# Altium PCB SPG_300.PcbDoc (part 6 of 7)
Units mil, origin at the board's own origin, x right, y up, seen from the top; angles counter-clockwise.
Board outline 7834.65 x 4330.71 mil, 4 copper layers (Top, Route2-SIG, Route3-GND, Bottom), stack 67.156 mil thick; 659 components, 376 nets, 2304 pads, 665 vias.
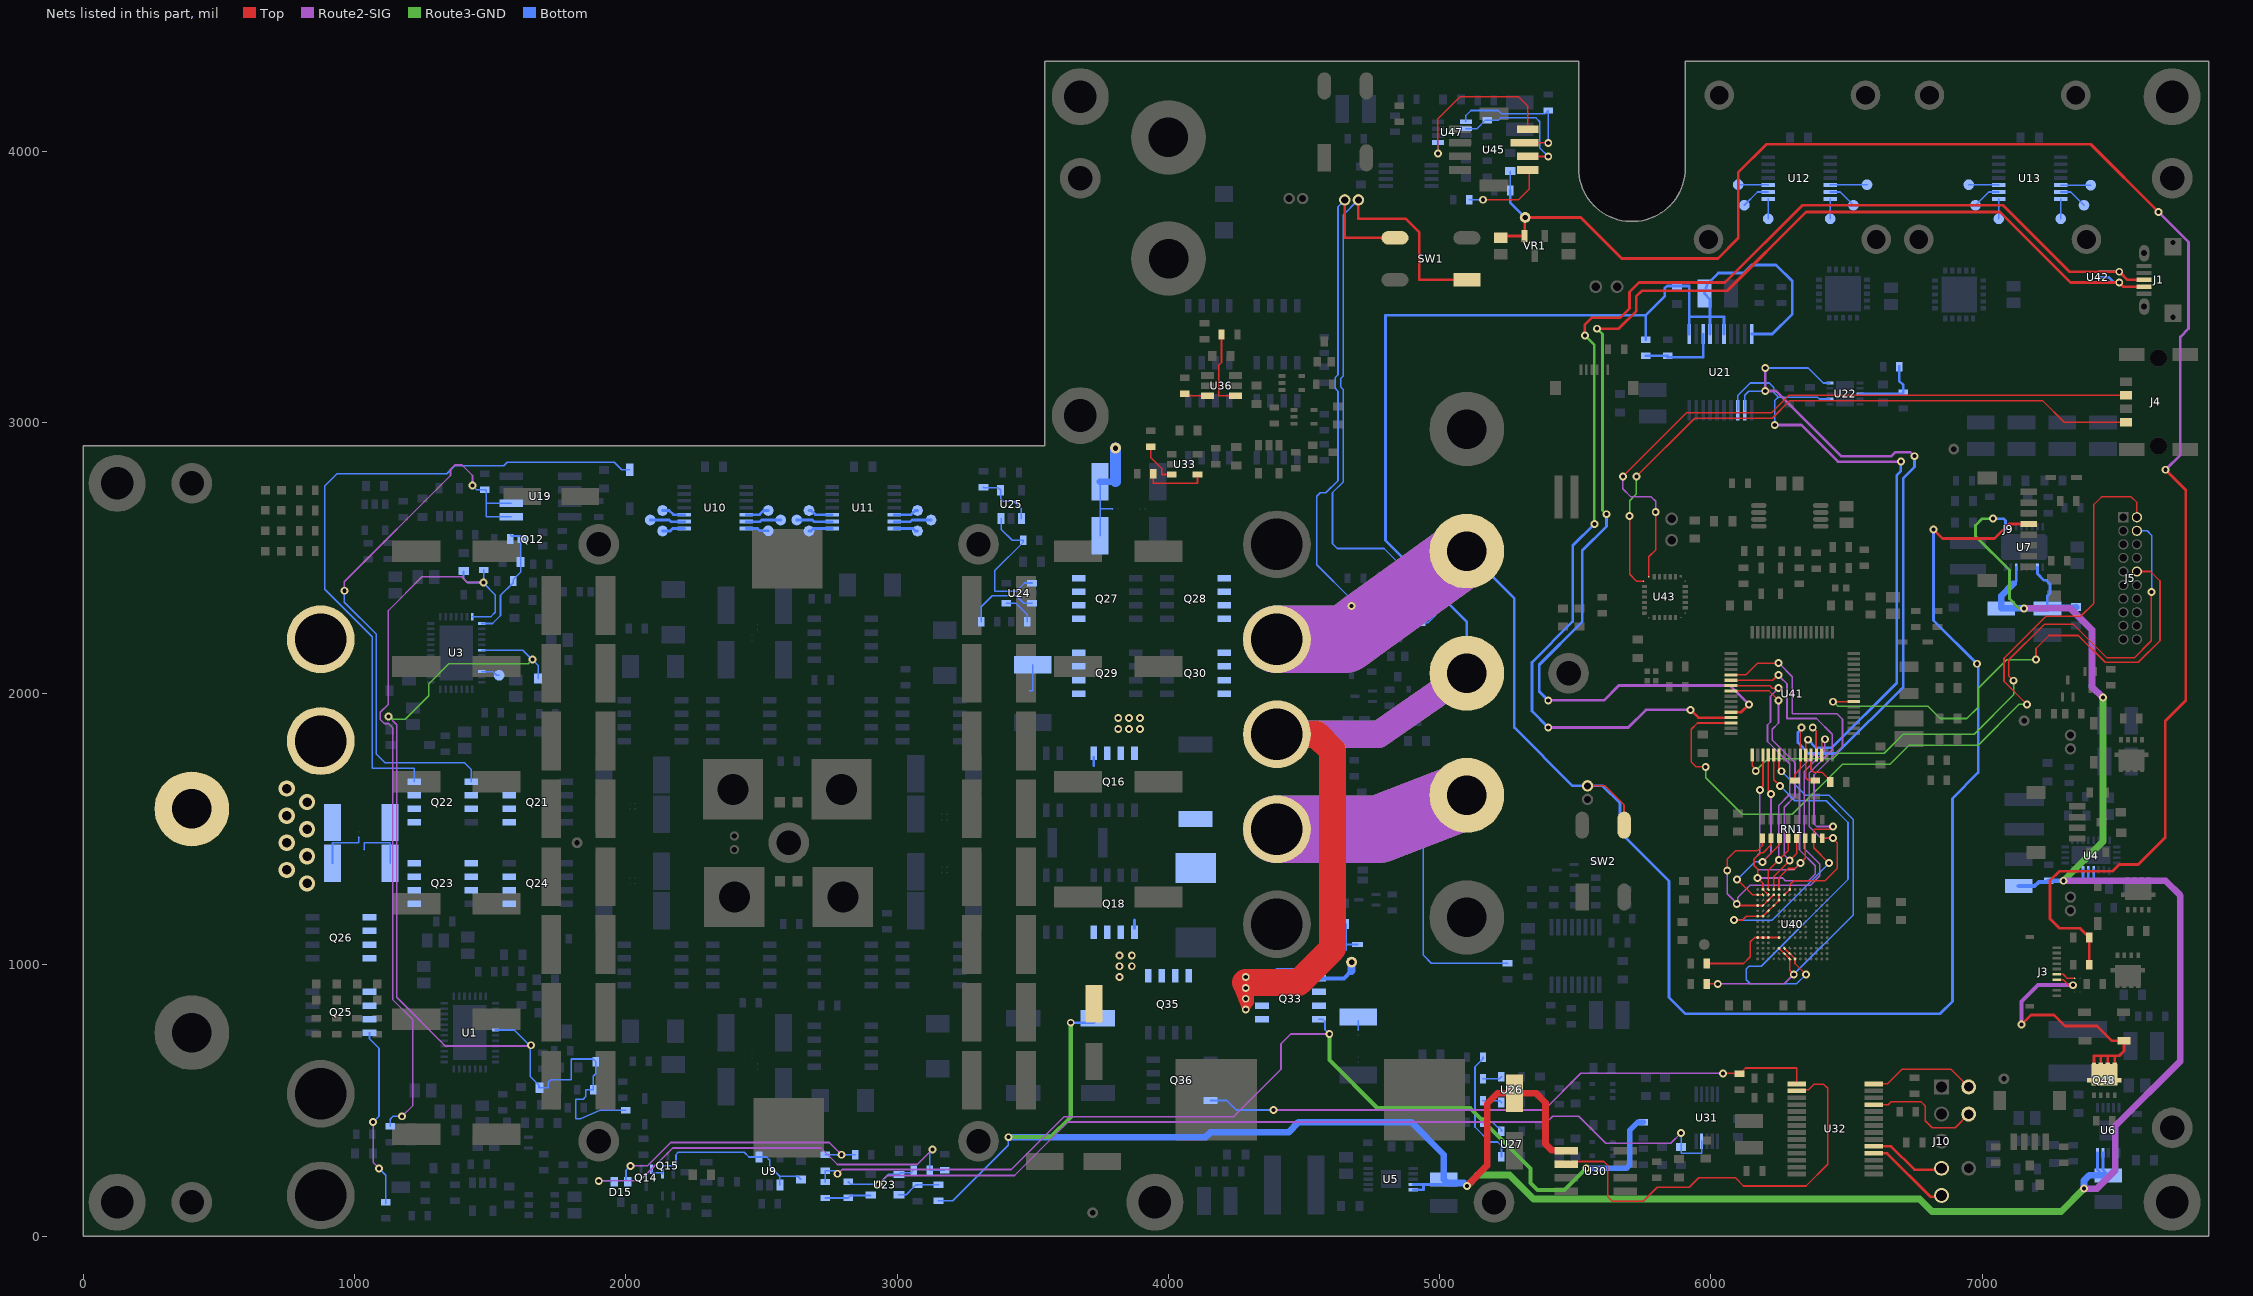
[diagram p8: the nets of this part, all layers, seen from the top]

## Via types
v1: diameter 29, hole 15, Top to Bottom, tented both sides, 469 vias
v2: diameter 29/29/29/29 (per signal layer), hole 15, Top to Bottom, tented both sides, 168 vias
v3: diameter 34/34/34/34 (per signal layer), hole 20, Top to Bottom, 14 vias
v4: diameter 60/52.5/52.5/60 (per signal layer), hole 35, Top to Bottom, 13 vias
v5: diameter 55, hole 35, Top to Bottom, 1 vias

## Nets (pads, with @x,y where several pads share a name; then routed paths per layer and width w, separated by ;. In a path a pad name is that pad's centre, name@x,y a point inside that pad or via, vN(x,y) a via of type N, cw(c..) or ccw(c..) an arc to the next point about the centre after c; other vN are vias at no path point) (continued)
NetR135_1: R135.1 R138.2 U21.13 | length 301.1
  Bottom w10: R138.2@5760,3245.47 R135.1@5840,3245.47 5840,3240 5971.02,3240 U21.13@5971.02,3324.59
NetR139_2: R139.2 R140.2 U22.3 | length 263.3
  Bottom w10: U22.3@6549.63,3105.47 6549.7,3105.55 6704.72,3105.55 R139.2@6709.17,3110 6709.17,3136.81 6693.7,3152.28 R140.2@6693.7,3205.47
NetR141_1: R141.1 R144.1 U23.4 | length 172.7
  Bottom w6: R144.1@2735,140.47 2819.53,140.47 R141.1@2820,140.94 2828.81,149.76 2901.76,149.76 U23.4@2903.23,151.22
NetR142_1: R142.1 R145.2 U23.3 | length 161.4
  Bottom w6: U23.3@3006.77,152.6 3033.96,152.6 3046.87,165.51 3046.87,166.16 3069.09,188.39 R145.2@3075,188.39 3076.14,189.53 R142.1@3152.46,189.53
NetR150_1: R150.1 U24.4 | length 120.3
  Bottom w6: U24.4@3402.71,2332.6 3438.44,2332.6 3479.53,2291.51 R150.1@3479.53,2265
NetR151_2: R151.2 U25.1 U25.4 | length 226.2
  Bottom w6: R151.2@3318.46,2760.47 3319.93,2759.01 3371.7,2759.01 U25.4@3381.69,2749.02 3381.69,2718.29 3390.46,2709.53 3430,2709.53 3457.87,2681.65 U25.1@3457.87,2645.47
NetR152_1: R152.1 U24.3 | length 270.2
  Bottom w6: R152.1@3310.47,2265 3310.47,2320 3351.1,2360.63 3438.9,2360.63 3466.93,2332.6 U24.3@3497.2,2332.6
NetR153_2: R153.2 U24.1 U25.3 | length 519.2
  Bottom w6: 3360,2377.54 3360.2,2377.74 ; U25.3@3383.07,2645.47 3383.07,2606.15 3424.22,2565 R153.2@3465.47,2565 3465.47,2559.09 3360.2,2453.82 3360.2,2377.74 ; U24.1@3497.2,2407.4 3469.67,2407.4 3440,2377.74 3360.2,2377.74
NetR174_1: R174.1 U33.3 | length 157.2
  Top w6: R174.1@3934.96,2910.47 3934.96,2870.04 3974.96,2830.04 3974.96,2807.6 U33.3@4012.76,2807.6
NetR175_1: R175.1 U33.4 | length 230.8
  Top w6: R175.1@3944.48,2811.02 3944.48,2775.52 3945,2775 4106.73,2775 4107.24,2775.52 U33.4@4107.24,2807.6
NetR184_2: R184.2 U36.3 | length 87.2
  Top w6: R184.2@4059.53,3105.63 4067.56,3097.6 U36.3@4143.43,3097.6
NetR185_2: R185.2 U36.4 | length 291.9
  Top w6: R185.2@4195.47,3323.62 4195.47,3220.47 4185,3210 4185,3097.6 U36.4@4246.57,3097.6
NetR192_2: R192.2 U41.60 | length 146.6
  Top w6: U41.60@6368.9,1773.62 6368.9,1719.49 6378.74,1709.65 6409.13,1709.65 6438.98,1679.8 R192.2@6438.98,1673.9
NetR212_1: R212.1 U45.3 U47.1 | length 551.4
  Top w6: U45.3@5312.8,4030 v1(5400,4030)
  Bottom w6: U47.1@5096.57,4107.91 5096.57,4131.1 5115,4149.53 5215.47,4149.53 5228,4137 5387.79,4137 R212.1@5400,4149.21 v1@5400,4029.53
NetR217_1: R217.1 U45.1 | length 318.5
  Top w6: v1(5160,3820.47) 5290.47,3820.47 5330,3860 5330,3934.8 U45.1@5325.2,3930
  Bottom w6: R217.1@5109.51,3820 v1@5160,3820
NetR219_2: R219.2 U45.2 U47.2 | length 510.8
  Top w6: U45.2@5325.2,3980 v1(5400,3980)
  Bottom w6: U47.2@5096.57,4082.32 5137.36,4082.32 5169.09,4114.06 R219.2@5175,4114.06 5216.65,4114.06 5224.6,4122 5355.07,4122 5369.15,4107.91 5369.15,4011.28 5400,3980.43 v1@5400,3979.53
NetU45_4: U45.4 U47.5 | length 634.3
  Top w6: v1(4993.43,3990.47) 4993.43,4118.43 5075,4200 5290.47,4200 5325.2,4165.28 U45.4@5325.2,4080
  Bottom w6: v1@4993.43,3990 v1(4993.43,3990.47) U47.5@4993.43,4031.14
OUTLET_VALVE+: J3.6 NT22.2 | length 72.5
  Top w6: J3.6@7274.21,965.16 7298.52,965.16 7313.68,950 NT22.2@7340.47,950
OUTLET_VALVE-: D31.A J3.7 Q48.D1 Q48.D2 Q48.D3 Q48.D4 | length 1104
  Top w6: J3.7@7274.21,945.47 7299.53,945.47 7320,925 v1(7335,925)
  Top w10: v1(7145,780) 7180,815 7264.72,815 7304.72,775 7423.61,775 7478.59,720.02 D31.A@7522.83,720.02 7522.83,682.83 7505,665 7488.39,665 ; Q48.D4@7411.61,628.15 7411.61,665 7437.2,665 ; Q48.D3@7437.2,628.15 7437.2,665 ; Q48.D2@7462.8,628.15 7462.8,665 ; Q48.D1@7488.39,628.15 7488.39,665 ; 7437.2,665 7462.8,665 ; 7462.8,665 7488.39,665
  Route2-SIG w15: v1(7145,780) 7145,865 7205,925 v1(7335,925)
P0A: P0A.TP U12.8 | length 73.2
  Bottom w6: P0A.TP@6210.83,3750 U12.8@6210.83,3823.23
P0B: P0B.TP U12.10 | length 111.5
  Bottom w6: P0B.TP@6100,3876.06 6100.83,3875.24 6210,3875.24 U12.10@6210.83,3874.41
P0W: P0W.TP U12.9 | length 108.2
  Bottom w6: P0W.TP@6122.83,3800 6171.65,3848.82 U12.9@6210.83,3848.82
P1A: P1A.TP U12.7 | length 73.2
  Bottom w6: P1A.TP@6439.17,3750 U12.7@6439.17,3823.23
P1B: P1B.TP U12.5 | length 136.5
  Bottom w6: U12.5@6439.17,3874.41 6440,3875.24 6574.17,3875.24 P1B.TP@6575,3876.06
P1W: P1W.TP U12.6 | length 106
  Bottom w6: U12.6@6439.17,3848.82 6476.18,3848.82 P1W.TP@6525,3800
P2A: P2A.TP U13.8 | length 73.2
  Bottom w6: P2A.TP@7060.83,3750 U13.8@7060.83,3823.23
P2B: P2B.TP U13.10 | length 111.5
  Bottom w6: P2B.TP@6950,3876.06 6950.83,3875.24 7060,3875.24 U13.10@7060.83,3874.41
P2W: P2W.TP U13.9 | length 106
  Bottom w6: P2W.TP@6975,3800 7023.82,3848.82 U13.9@7060.83,3848.82
P3A: P3A.TP U13.7 | length 73.2
  Bottom w6: P3A.TP@7289.17,3750 U13.7@7289.17,3823.23
P3B: P3B.TP U13.5 | length 110.8
  Bottom w6: U13.5@7289.17,3874.41 P3B.TP@7400,3874.41
P3W: P3W.TP U13.6 | length 106
  Bottom w6: U13.6@7289.17,3848.82 7326.18,3848.82 P3W.TP@7375,3800
P4A: P4A.TP U10.8 | length 84.2
  Bottom w10: P4A.TP@2135.32,2599.29 2163.62,2599.29 2172.56,2608.23 U10.8@2215.83,2608.23
P4B: P4B.TP U10.10 | length 87
  Bottom w10: P4B.TP@2135.27,2675 2159.41,2675 2175,2659.41 U10.10@2215.83,2659.41
P4W: P4W.TP U10.9 | length 128.9
  Bottom w10: P4W.TP@2089.53,2640 2159.41,2640 2165.59,2633.82 U10.9@2215.83,2633.82
P5A: P5A.TP U10.7 | length 84.2
  Bottom w10: U10.7@2444.17,2608.23 2485.75,2608.23 2493.98,2600 P5A.TP@2525,2600
P5B: P5B.TP U10.5 | length 87.3
  Bottom w10: U10.5@2444.17,2659.41 2492.41,2659.41 2508,2675 P5B.TP@2525,2675
P5W: P5W.TP U10.6 | length 128.9
  Bottom w10: U10.6@2444.17,2633.82 2494.76,2633.82 2500.94,2640 P5W.TP@2570.47,2640
P6A: P6A.TP U11.8 | length 89.5
  Bottom w10: P6A.TP@2675,2599.29 2682.95,2599.29 2691.88,2608.23 U11.8@2760.83,2608.23
P6B: P6B.TP U11.10 | length 92.3
  Bottom w10: P6B.TP@2675,2675 2682.95,2675 2698.54,2659.41 U11.10@2760.83,2659.41
P6W: P6W.TP U11.9 | length 133.4
  Bottom w10: P6W.TP@2630,2640 2687.48,2640 2693.66,2633.82 U11.9@2760.83,2633.82
P7A: P7A.TP U11.7 | length 89.5
  Bottom w10: U11.7@2989.17,2608.23 3058.12,2608.23 3067.05,2599.29 P7A.TP@3075,2599.29
P7B: P7B.TP U11.5 | length 92.3
  Bottom w10: U11.5@2989.17,2659.41 3051.46,2659.41 3067.05,2675 P7B.TP@3075,2675
P7W: P7W.TP U11.6 | length 138.4
  Bottom w10: U11.6@2989.17,2633.82 3048.78,2633.82 3054.96,2640 P7W.TP@3125,2640
PGC: J10.4 U32.5 | length 291.2
  Top w10: U32.5@6599.43,331.02 6664.02,331.02 6750.04,245 J10.4@6855,245
PGD: J10.5 U32.4 | length 322
  Top w10: U32.4@6599.43,305.43 6649.57,305.43 6810,145 J10.5@6855,145
PWM1: Q36.G R163.2 U32.15 | length 2299.8
  Top w6: v1(6043.64,600) 6103.16,600 R163.2@6105,598.16 6126.84,620 6315.97,620 U32.15@6315.97,561.34
  Route2-SIG w6: v1(4387.32,465) 5385,465 5520,600 v1(6043.64,600)
  Bottom w6: Q36.G@4155.08,500 4214.96,500 4249.96,465 v1(4387.32,465)
PWM2: U30.2 U32.16 | length 1587.1
  Top w6: U30.2@5466.73,265 5495,265 5505,275 5604.88,275 5620,259.88 5620,145 5636.5,128.5 5750,128.5 5801.85,180.35 5920,180.35 5954.65,215 6090,215 6120,185 6350,185 6430,265 6430,545 6415,560 6379.76,560 6359.42,539.65 6319.87,539.65 U32.16@6315.97,535.75
PWR_SW: J6.1 R121.2 R124.2 SW1.1 | length 2653.5
  Top w10: J6.1@4700,3820 4700,3750 4875,3750 4925,3700 4925,3525 SW1.1@5100,3525
  Bottom w6: J6.1@4700,3820 4644.13,3764.13 4644.13,3170.47 4635,3161.34 4635,3130 4644.13,3120.87 4644.13,2780 4605,2740.87 4605,2552.76 4622.72,2535.03 4794.97,2535.03 4985,2345 4985,2290 4955.47,2260.47 R124.2@4930,2260.47 4929.06,2259.53 R121.2@4845,2259.53
REF_3V3: C68.1 C181.1 R109.2 R110.2 R210.2 TP_1.1 VR1.2 | length 6522.3
  Top w10: C68.1@5225,3680.51 5230.91,3686.42 VR1.2@5312.6,3686.42 5313.8,3687.62 5313.8,3753.8 TP_1.1@5315,3755 5519.8,3755 5671.05,3603.75 6025.29,3603.75 6100,3678.46 6100,3920.94 6204.06,4025 7400,4025 v1(7650,3775) ; R110.2@7392.5,1102.95 7360.45,1135 7285,1135 7250,1170 7250,1310.28 7284.72,1345 7480,1345 7505,1370 7575,1370 7674.53,1469.53 7674.53,1899.53 7750,1975 7750,2750 v1(7675,2825) ; R110.2@7393.74,1100.79 7394.13,1100.39 7394.13,1000.39 R109.2@7394.53,1000
  Route2-SIG w10: v1(7650,3775) 7760,3665 7760,3345 7730,3315 7730,2880 v1(7675,2825)
  Bottom w6: R210.2@5259.53,3854.53 5260,3855 C181.1@5260,3926.06
  Bottom w10: R210.2@5259.53,3854.53 5259.53,3810.47 TP_1.1@5315,3755
RXD: pad.10 U32.11 | length 448
  Top w6: U32.11@6599.43,484.57 6653.35,484.57 6664.78,496 6774.22,496 6790.22,480 6790.22,425 6815.22,400 6900,400 pad.10@6950,450
SCLK: CLK.TP U3.10 | length 69
  Bottom w6: U3.10@1469.45,2081.1 1509.69,2081.1 1523.62,2067.17 CLK.TP@1532.65,2067.17
SDMMC1_CK: U40.*CLK U41.53 | length 1561.9
  Top w6: U41.53@6231.1,1773.62 6231.1,1682.87 v1(6255,1658.98) ; U40.*CLK@6270.47,1061.42 U40.*CLK@6309.84,1022.05 6309.84,1005 v1(6350,964.84)
  Bottom w6: v1(6255,1658.98) 6308.98,1605 6425,1605 6505,1525 6505,1315 6185,995 6140,995 6130,985 6130,945 6145,930 6315.16,930 v1(6350,964.84)
SDMMC1_CMD: R206.2 U40.*CMD U41.54 | length 1518
  Top w6: R206.2@5984.53,929.53 5985,930 v1(6025,930) ; U40.*CMD@6250.79,1061.42 U40.*CMD@6290.16,1022.05 6290.16,979.84 v1(6305,965) ; U41.54@6250.79,1773.62 6250.79,1722.8 v1(6260,1713.58)
  Route2-SIG w6: v1@6024.76,930 v1(6025,930) 6269.76,930 v1@6304.76,965
  Bottom w6: v1(6260,1713.58) 6348.58,1625 6435,1625 6525,1535 6525,1185 v1(6305,965)
SDMMC1_D0: RN1.4 U40.A3 U41.39 | length 1100.5
  Top w6: U41.39@6073.62,2029.53 6216.73,2029.53 6226.26,2020 v1(6248.96,2020) ; U40.A3@6211.42,1277.95 6211.42,1347.62 v1(6250,1386.2) 6284.25,1420.45 RN1.4@6284.25,1467.32
  Route2-SIG w6: v1(6248.96,2020) 6219.29,1990.33 6219.29,1895 6208.5,1884.21 6208.5,1823.32 6290.8,1741.02 6290.8,1628.74 6249.76,1587.7 v1@6249.76,1386.2
SDMMC1_D1: RN1.5 U40.A4 U41.40 | length 1073.3
  Top w6: U41.40@6073.62,2009.84 6214.12,2009.84 v1(6248.96,1975) ; U40.A4@6231.1,1277.95 6231.1,1325.94 v1(6290.16,1385) 6315.75,1410.59 RN1.5@6315.75,1467.32
  Route2-SIG w6: v1@6248.72,1975 6248.72,1891.42 6225.39,1868.09 6225.39,1828.76 6309.61,1744.55 6309.61,1620.47 6270.24,1581.1 6270.24,1404.92 v1(6290.16,1385)
SDMMC1_D2: RN1.6 U40.A5 U41.51 | length 852.4
  Top w6: v1(6180,1645) 6191.73,1656.73 U41.51@6191.73,1773.62 ; U40.A5@6250.79,1277.95 6250.79,1320.79 6285,1355 6309.53,1355 6347.24,1392.72 RN1.6@6347.24,1467.32
  Route2-SIG w6: v1(6180,1645) 6179.76,1644.76 6179.76,1410.91 6158.86,1390 6158.86,1366.3 6175.16,1350 6304.53,1350 v1(6329.53,1375)
SDMMC1_D3: RN1.3 U40.*D3 U41.52 | length 768.2
  Top w6: v1(6096.53,1315) 6153.26,1258.27 U40.*D3@6172.05,1258.27 U40.*D3@6191.73,1258.27 ; v1(6189.53,1379.53) 6252.76,1442.76 RN1.3@6252.76,1467.32 ; U41.52@6211.42,1773.62 6211.42,1639.84 v1(6221.26,1630)
  Route2-SIG w6: v1@6189.53,1375 v1(6189.53,1379.53) 6189.53,1379.76 6221.02,1411.26 v1@6221.02,1630
  Bottom w6: v1(6096.53,1315) 6161.06,1379.53 v1(6189.53,1379.53)
SDMMC1_D4: RN1.2 U40.*D4 U41.61 | length 1191.1
  Top w6: U40.*D4@6211.42,1258.27 U40.*D4@6191.73,1277.95 6191.73,1300.31 v1(6172.05,1320) 6172.05,1352.95 6160,1365 6160,1390.59 6182.99,1413.58 6192.32,1413.58 6221.26,1442.52 RN1.2@6221.26,1467.32 ; v1(6375,1875) 6388.58,1861.42 U41.61@6388.58,1773.62
  Route2-SIG w6: v1(6172.05,1320) 6264.02,1320 6274.02,1310 6359.76,1310 6384.76,1335 6384.76,1365 6326.09,1423.67 6326.09,1720.03 6388.35,1782.28 6388.35,1861.42 v1@6374.76,1875
SDMMC1_D5: RN1.1 U40.*D5 U41.62 | length 1494.6
  Top w6: v1(6060,1347.62) 6060,1390.31 6089.69,1420 6170,1420 6189.76,1439.76 RN1.1@6189.76,1467.32 ; v1(6095,1225) 6101.1,1218.9 U40.*D5@6172.05,1218.9 U40.*D5@6191.73,1218.9 U40.*D5@6211.42,1238.58 U40.*D5@6231.1,1258.27 ; U41.62@6408.27,1773.62 6408.27,1820.28 v1(6419.69,1831.69)
  Route2-SIG w6: v1(6060,1347.62) 6060,1262.04 6095,1227.04 v1(6095,1225) 6098.5,1228.5 6098.5,1248.5 6143.51,1293.52 6366.59,1293.52 6401.25,1328.17 6401.25,1371.83 6343.93,1429.14 6343.93,1712.64 6419.45,1788.15 v1@6419.45,1831.69
SDMMC1_D6: RN1.7 U40.*D6 U41.37 | length 1975.2
  Top w6: U41.37@6073.62,2068.9 6128.9,2068.9 6171.55,2111.55 6241.26,2111.55 6243.1,2113.4 v1(6248.96,2113.4) ; v1(6085.02,1164.88) 6115.39,1164.88 6130.04,1179.53 U40.*D6@6172.05,1179.53 U40.*D6@6191.73,1179.53 U40.*D6@6211.42,1199.21 U40.*D6@6231.1,1218.9 U40.*D6@6250.79,1238.58 U40.*D6@6250.79,1258.27 ; v1(6435,1375) 6378.74,1431.26 RN1.7@6378.74,1467.32 6378.74,1497.07 6381.67,1500 6440.39,1500 v1(6450.39,1510)
  Route2-SIG w6: v1(6248.96,2113.4) 6299.76,2062.59 6299.76,1925.54 6464.48,1925.54 6484.76,1905.26 6484.76,1805.12 6379.62,1699.98 6379.62,1519.59 6389.21,1510 v1@6450.15,1510
  Bottom w6: v1(6085.02,1164.88) 6224.88,1164.88 v1(6435,1375)
SDMMC1_D7: RN1.8 U40.*D7 U41.38 | length 1418.8
  Top w6: U41.38@6073.62,2049.21 6228.17,2049.21 6247.86,2068.9 v1(6248.72,2068.9) ; U40.*D7@6270.47,1258.27 U40.*D7@6290.16,1277.95 6290.16,1295.16 6305.28,1310.28 6420.28,1310.28 6465,1355 6465,1449.09 6450,1464.09 v1(6450,1467.32) RN1.8@6410.24,1467.32
  Route2-SIG w6: v1@6257.61,2058.89 6280,2036.5 6280,1908.15 6389.07,1908.15 6447.4,1849.82 6447.4,1792.99 6361.78,1707.37 6361.78,1510 6404.45,1467.32 v1@6449.76,1467.32
SDMMC1_nRST: R207.2 U40.*RST | length 338.2
  Top w6: R207.2@5984.53,1005 6120,1005 6145,1030 6145,1085 6160.79,1100.79 U40.*RST@6172.05,1100.79 U40.*RST@6191.73,1100.79 U40.*RST@6250.79,1100.79
SEC_MCU_NRST: J4.4 U43.1 | length 2386
  Top w6: v1(5700,2655) 5700,2440 5725.49,2414.51 U43.1@5751,2414.51 ; v1(5724.98,2800) 5939.98,3015 6225.63,3015 6290.63,3080 7221.89,3080 7301.89,3000 J4.4@7529.92,3000
  Route3-GND w6: v1(5700,2655) 5700,2710.59 5724.98,2735.57 v1(5724.98,2800)
SEC_MCU_SWIM: J4.2 U43.28 | length 2453.5
  Top w6: v1(5674.98,2800) 5910,3035 6222.76,3035 6287.76,3100 J4.2@7529.92,3100 ; U43.28@5770.94,2430.32 5770.94,2504.25 5796.22,2529.53 v1(5796.22,2670)
  Route2-SIG w6: v1(5674.98,2800) 5674.98,2755 5704.98,2725 5780,2725 5796.22,2708.78 v1(5796.22,2670)
SIADJ: C76.1 R37.1 R65.1 U3.38 | length 2810.7
  Route2-SIG w6: 1094.97,1915.26 1094.97,1904.37 1109.84,1889.49 1125.13,1889.49 1140,1874.62 1140,872.25 1215,797.25 1215,481.73 v1(1175,441.73) ; 1095,1915.3 1095,1931.21 1124.72,1960.93 1124.72,2306.59 1248.83,2430.69 1394.76,2430.69 1415.8,2409.65 v1(1475.58,2409.65)
  Bottom w6: R37.1@1131.26,405.28 1131.26,431.14 1141.85,441.73 v1(1175,441.73) ; C76.1@1402.28,2451.54 1401.35,2450.61 1401.35,2424.09 1415.8,2409.65 v1(1475.58,2409.65) ; U3.38@1434.01,2283.86 1503.09,2283.86 1519.01,2299.78 1519.01,2363.43 1475.58,2406.86 v1(1475.58,2409.65) ; R65.1@1475.58,2455.47 v1(1475.58,2409.65)
SMB_INT_SCL: R198.1 U21.2 U22.10 U41.58 | length 2786.6
  Top w6: R198.1@6309.84,1679.53 6309.84,1702.93 6329.53,1722.61 U41.58@6329.53,1773.62 6329.53,1871.06 v1(6333.47,1875)
  Route2-SIG w10: v1(6200,3200) v1(6200,3115) 6240,3115 6480,2875 6665,2875 6680,2890 6733.28,2890 6748.28,2875 v1(6750,2875)
  Bottom w6: U21.2@6124.57,3044.25 6124.57,3100 6139.57,3115 v1(6200,3115) ; v1(6200,3200) 6358.94,3200 6414.09,3144.84 U22.10@6438.41,3144.84
  Bottom w10: v1(6333.47,1875) 6333.47,1869.86 6320,1856.39 6320,1819.21 6360,1779.21 6463.39,1779.21 6709.17,2025 6709.17,2794.17 6750,2835 v1(6750,2875)
SMB_INT_SDA: R200.1 U21.3 U22.7 U41.59 | length 2521.3
  Top w6: v1(6357.7,1830) 6349.21,1821.51 U41.59@6349.21,1773.62 6349.21,1689.84 6359.06,1680 6384.53,1680 R200.1@6385,1679.53
  Route2-SIG w10: v1(6235,2990) 6333.49,2990 6468.49,2855 v1(6700,2855)
  Bottom w6: U21.3@6098.98,3044.25 6098.98,3098.98 6144.84,3144.84 6215,3144.84 6231.74,3128.11 6231.74,3110.21 6248.47,3093.47 ; v1(6235,2990) 6235,3080 6247.5,3092.5 6392.97,3092.5 6399.69,3085.79 U22.7@6438.41,3085.79
  Bottom w10: v1(6357.7,1830) 6387.7,1800 6445,1800 6685,2040 6685,2805 6700,2820 v1(6700,2855)
SNK+: R160.2 U27.3 | length 436.7
  Bottom w6: R160.2@5159.53,660 5159.53,654.09 5130,624.57 5130,402.13 5185,347.13 5212.87,347.13 5227.6,332.4 U27.3@5227.6,292.28
SNK-: R157.2 U27.4 | length 85.1
  Bottom w6: R157.2@5159.53,419.49 5194.88,419.49 5212.88,401.49 5218.79,401.49 5227.6,392.68 U27.4@5227.6,386.77
SRC+: R158.2 U26.3 | length 70.7
  Bottom w6: R158.2@5159.53,499.21 5221.14,499.21 U26.3@5227.6,492.76
SRC-: R159.2 U26.4 | length 71.1
  Bottom w6: R159.2@5159.53,580 5220.35,580 U26.4@5227.6,587.24
SSHDN: C52.1 Q12.3 R52.1 R55.2 U3.1 | length 447.2
  Bottom w6: U3.1@1469.45,2258.27 1508.22,2258.27 1538,2288.04 1538,2362.14 1584.96,2409.09 R55.2@1584.96,2415 1584.96,2420.91 1611.85,2447.8 C52.1@1611.85,2485 1611.85,2562.48 Q12.3@1619.13,2569.76 1607.85,2581.04 1578.4,2581.04 R52.1@1574.45,2585
SWCLK: J5.4 U41.49 | length 2374.1
  Top w6: U41.49@6152.36,1773.62 6152.36,1733.47 6165,1720.84 v1(6165,1715) ; v1(7115.43,2047.44) 7098.15,2064.72 7098.15,2125 7228.15,2255 7336.54,2255 7460,2131.54 7559.76,2131.54 7623.23,2195 v1(7623.23,2374.25)
  Route3-GND w6: v1(6165,1715) 6210,1760 6450,1760 6470,1780 6639.06,1780 6709.06,1850 6970,1850 7115.43,1995.43 v1(7115.43,2047.44)
  Bottom w6: J5.4@7570,2600 7607.68,2600 7625,2582.68 7625,2376.02 v1(7623.23,2374.25)
SWDIO: J5.2 U41.46 | length 3003.9
  Top w6: v1(5980.47,1730) 5945,1730 5927.07,1747.93 5927.07,1868.8 5950,1891.73 U41.46@6073.62,1891.73 U41.46@6073.46,1891.57 ; v1(7165,1960) 7080,2045 7080,2130 7235,2285 7363.21,2285 7411.61,2333.4 7411.61,2697.2 7439.32,2724.91 7549.18,2724.91 7570,2704.09 J5.2@7570,2650
  Route3-GND w6: v1(5980.47,1730) 5980.47,1689.53 6115,1555 6300,1555 6485,1740 6660,1740 6730,1810 6985,1810 7135,1960 v1(7165,1960)
SYS_RSTn: J5.10 U41.7 | length 1892.7
  Top w6: v1(6450,1970) 6450.47,1970.47 U41.7@6526.38,1970.47 ; v1(7197.95,2125) 7197.95,2166.19 7245.82,2214.06 7353.9,2214.06 7452.96,2115 7575,2115 7655,2195 7655,2415 7620,2450 J5.10@7570,2450
  Route3-GND w6: v1(6450,1970) 6451.03,1970 6467.13,1953.9 6799.25,1953.9 6845,1908.15 6943.15,1908.15 6985,1950 6985,2020 7090,2125 v1(7197.95,2125)
TXD: pad.9 U32.14 | length 399.7
  Top w6: U32.14@6599.43,561.34 6650.35,561.34 6704.01,615 6885,615 pad.9@6950,550
USB_DM: J1.2 U41.44 U42.2 | length 4786.8
  Top w10: v1(5580,3345) 5660,3345 5725,3410 5725,3465 5745,3485 6060,3485 6350,3775 7065,3775 7325,3515 v1(7505,3515) 7520.59,3499.41 J1.2@7596.85,3499.41 ; U41.44@6073.62,1931.1 6111.1,1931.1 v1(6140,1960)
  Route2-SIG w10: v1(5400,1975) 5605,1975 5660,2030 6070,2030 v1(6140,1960)
  Route3-GND w10: v1(5580,3345) 5600,3325 5600,2675 5613.7,2661.3 v1(5614.8,2661.3)
  Bottom w10: v1(5400,1975) 5367,2008 5367,2106.3 5525,2264.3 5525,2526.48 5614.8,2616.28 v1(5614.8,2661.3) ; U42.2@7439.27,3535 7465,3535 7485,3515 v1(7505,3515)
USB_DP: J1.3 U41.45 U42.1 | length 4790.9
  Top w10: v1(5535,3320) 5535,3359.84 5560.16,3385 5665,3385 5700,3420 5700,3480 5735,3515 6051.89,3515 6336.89,3800 7076.18,3800 7321.18,3555 v1(7505,3555) 7535,3525 J1.3@7596.85,3525 ; v1(5925,1940) 5953.58,1911.42 U41.45@6073.62,1911.42
  Route2-SIG w10: v1(5400,1875) 5695,1875 5760,1940 v1(5925,1940)
  Route3-GND w10: v1(5535,3320) 5570,3285 v1(5570,2625)
  Bottom w10: v1(5400,1875) 5340,1935 5340,2115 5490,2265 5490,2545 v1(5570,2625) ; U42.1@7439.27,3554.68 7439.35,3554.76 7504.76,3554.76 v1(7505,3555)
VB1: C119.2 C123.2 D21.C pad.6 Q33.S1 Q33.S2 Q33.S3 R128.2 R138.1 U21.11 U21.14 U21.16 U21.20 VB1+.1 | length 7621.9
  Top w25: 4285,935 4265,915 ; 4265,915 4253,915 4271.21,869.48 v2(4285,835) 4303.7,862.08 4303.7,915 v2(4285,915) 4265,915
  Top w100: 4285,935 4480,935 4605,1060 4605,1790 4546.42,1848.58 4401.38,1848.58 pad.6@4399.96,1850
  Route2-SIG w100: pad.6@4399.96,1850 4775,1850 VB1+.1@5100,2075
  Route3-GND w100: pad.6@4399.96,1850 4775,1850 VB1+.1@5100,2075
  Bottom w6: Q33.S3@4344.88,900 4377.72,900 4385,907.28 4385,972.83 4397.17,985 4585,985 4654.53,1054.53 4654.53,1075 ; R128.2@4654.53,1150.77 4654.53,1075 ; D21.C@4697.24,1075 4654.53,1075
  Bottom w10: VB1+.1@5100,2075 5100,2264.05 4799.98,2564.07 4799.98,3395.12 5760,3395.12 ; R138.1@5760,3304.53 5760,3395.12 ; U21.11@5919.84,3325.75 5919.84,3389.41 ; U21.14@5996.61,3325.75 5996.61,3389.41 ; U21.16@6047.8,3325.75 6047.8,3389.41 5996.61,3389.41 ; U21.20@6150.16,3325.75 6225.75,3325.75 6300,3400 6300,3520 6240,3580 6150,3580 6120,3550 6027.11,3550 5985.79,3508.68 C119.2@5975.79,3475 5996.61,3453.49 5996.61,3389.41 ; 5760,3395.12 5830,3465.12 5830,3495 5837.78,3502.78 C123.2@5875,3502.78 5919.84,3502.78 5919.84,3389.41 ; 5919.84,3389.41 5996.61,3389.41
  other v2: 4285,875 4285,955.71
VB1LIM: D15.2 R147.1 R148.2 | length 1004.7
  Route2-SIG w6: v1(2016.89,259.13) 2079.61,259.13 2165.48,345 2749.57,345 v1(2794.57,300)
  Bottom w6: D15.2@2000.59,203.94 2000.59,242.84 v1(2016.89,259.13) ; R147.1@2735,299.53 2735.47,300 v1(2794.57,300) 2845,300 R148.2@2845.47,300.47
VB2: C120.1 J6.2 J9.4 J13.1 pad.5 Q28.D1 Q28.D2 Q28.D3 Q28.D4 Q30.D1 Q30.D2 Q30.D3 Q30.D4 R120.2 SW1.2 SW2.2 VB2+.1 | length 9246.9
  Top w6: J13.1@5544.84,1660 5609.53,1660 5679.53,1590 5679.53,1515.47 SW2.2@5680,1515